# Altium PCB revision2.PcbDoc
Units mil, origin at the board's own origin, x right, y up, seen from the top; angles counter-clockwise.
Board outline 6000 x 4525 mil, 4 copper layers (Top Layer, Layer 1, Layer 2, Bottom Layer), stack 23.756 mil thick; 52 components, 209 nets, 624 pads, 25 vias.
Unrouted connection lines stored in the file: 123.
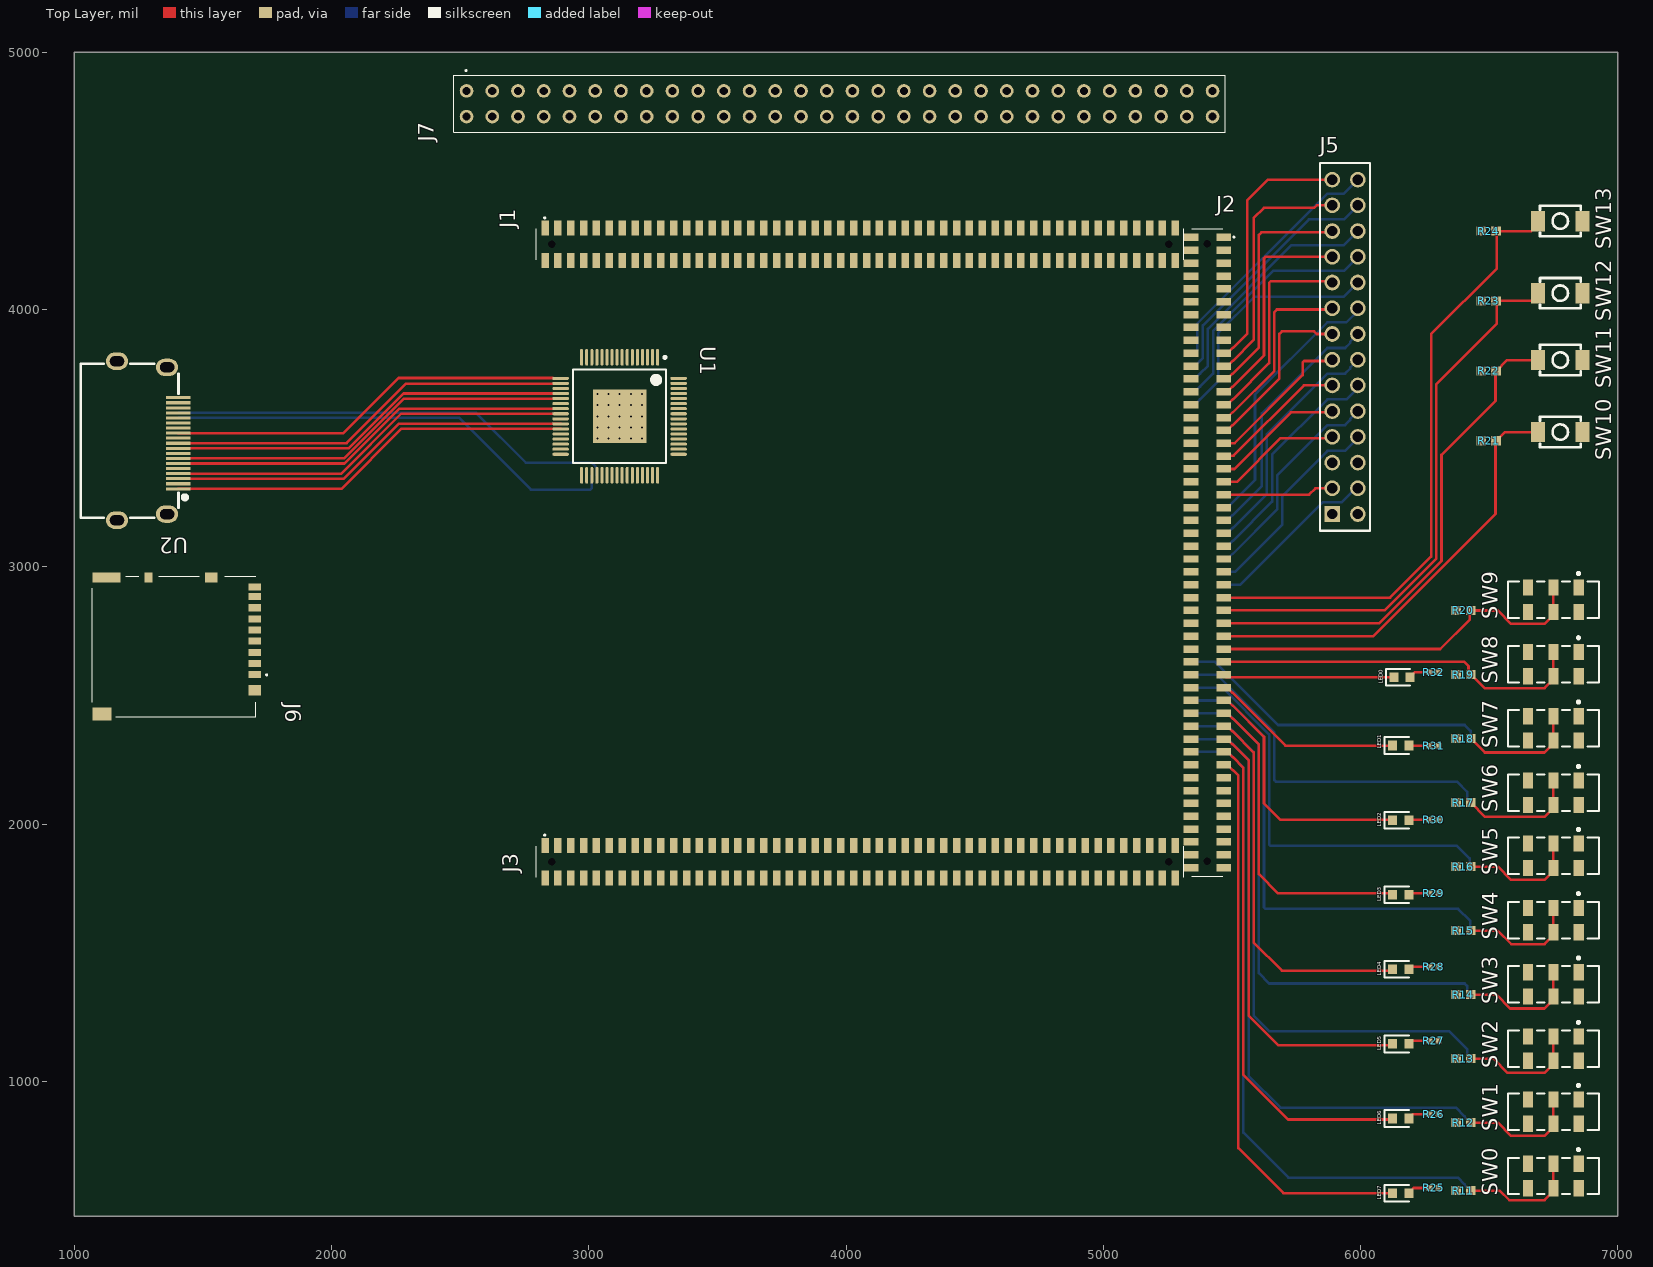
[diagram p0: Top Layer view]
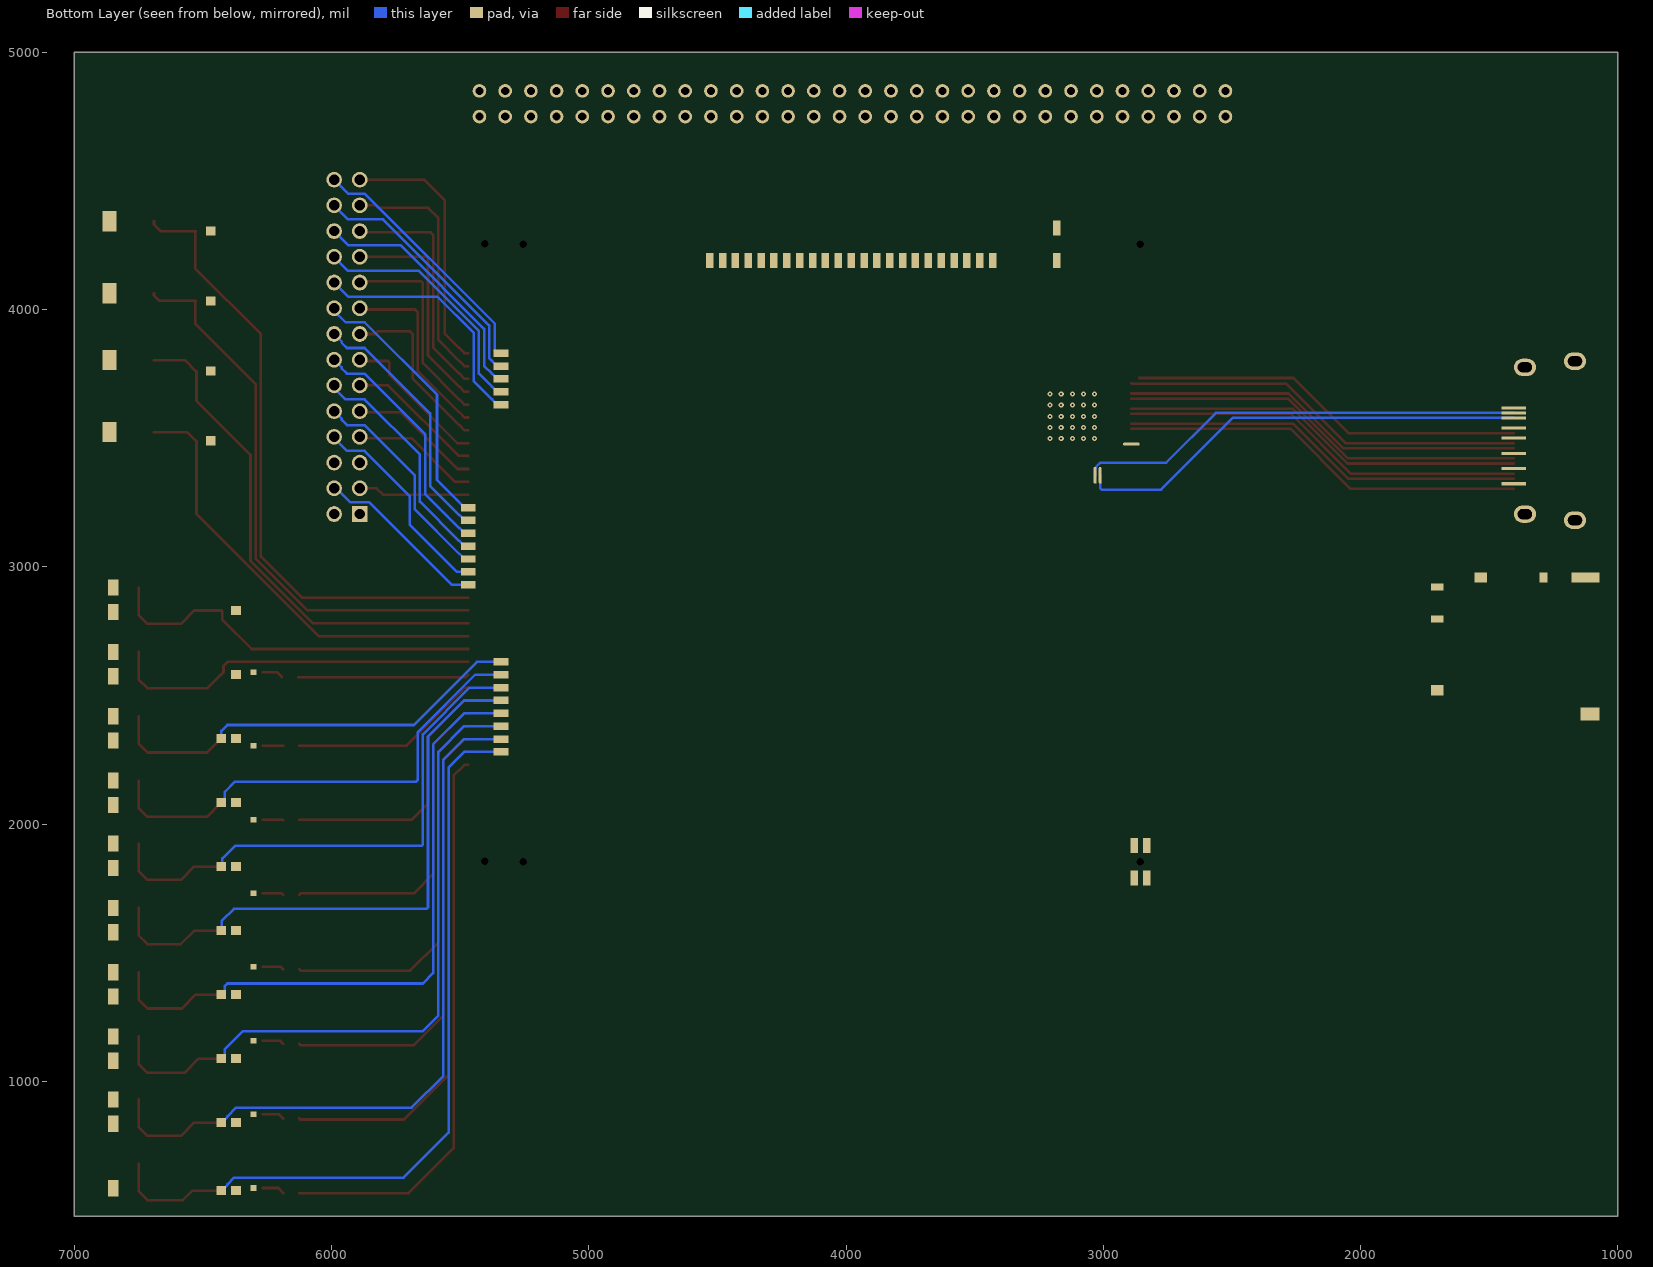
[diagram p1: Bottom Layer view, seen from below]
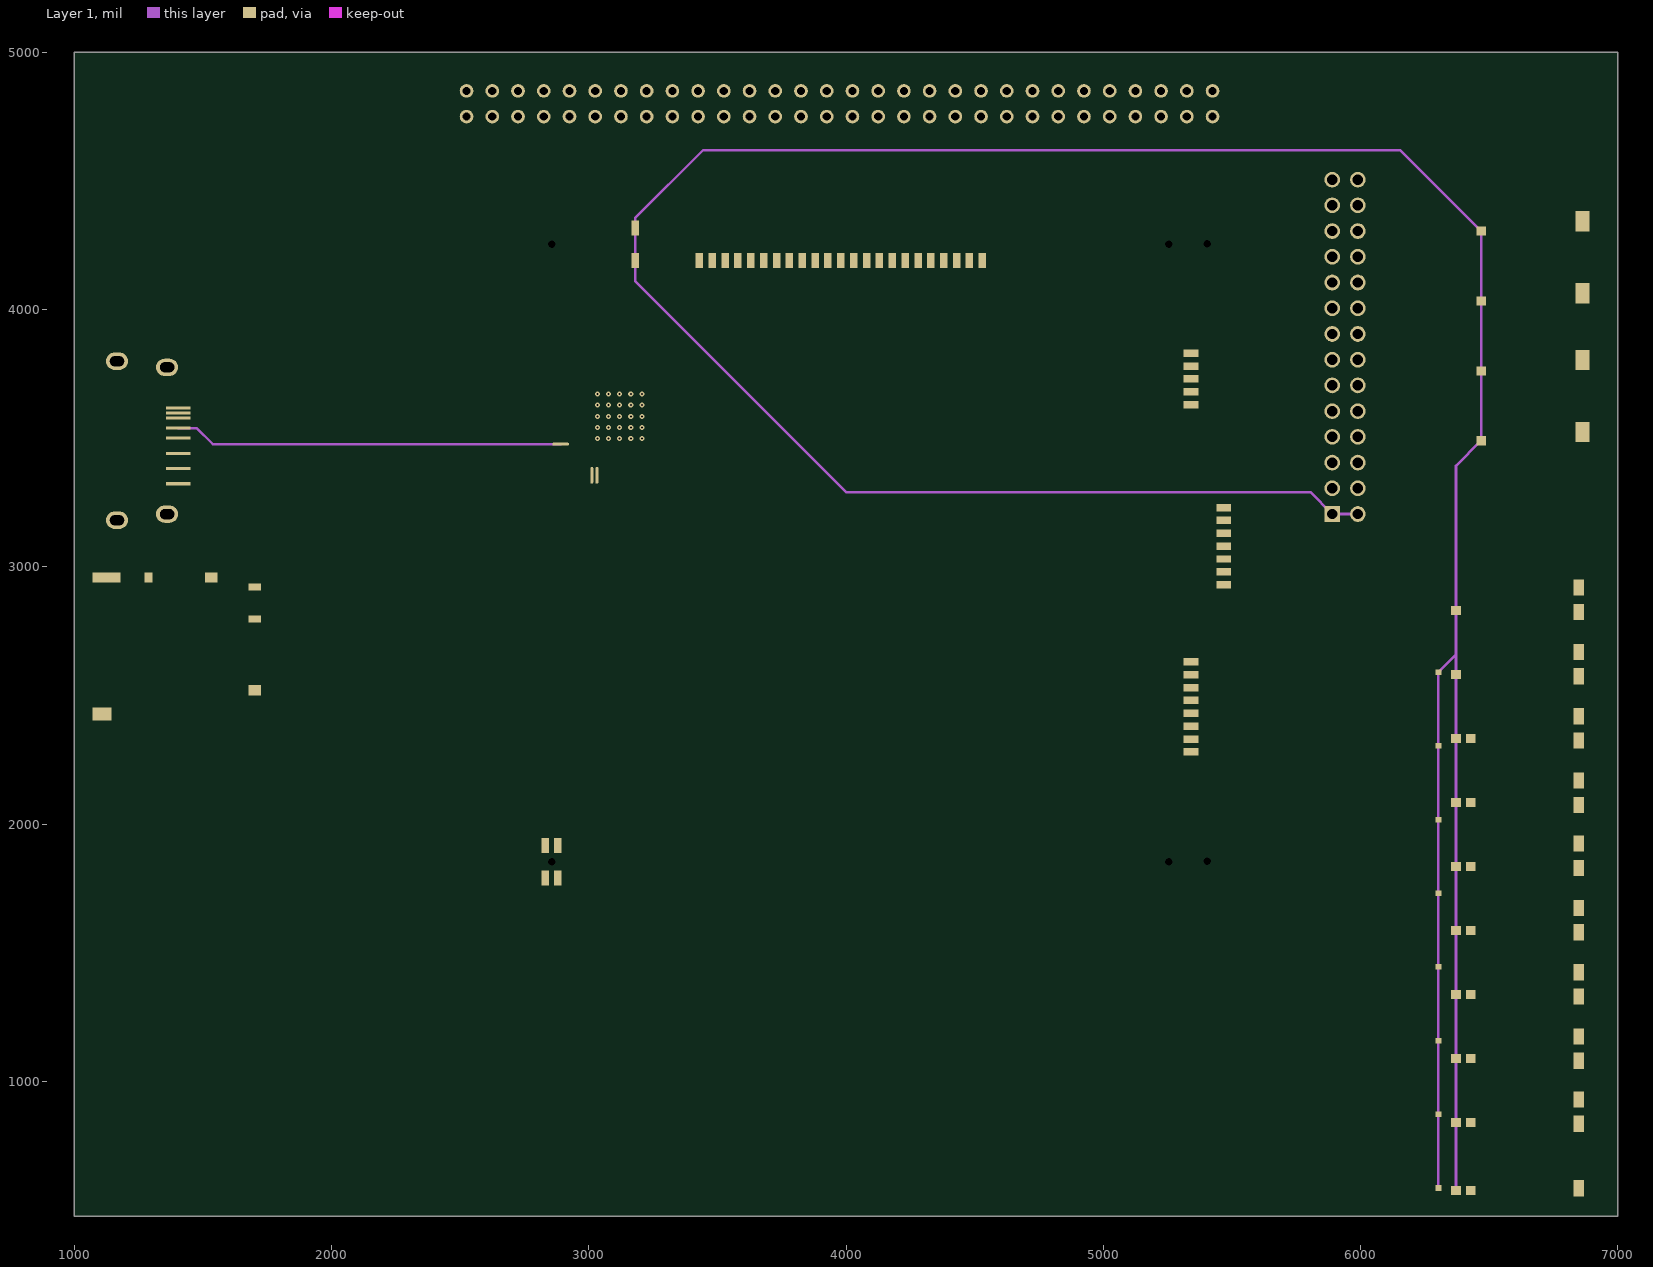
[diagram p2: Layer 1]
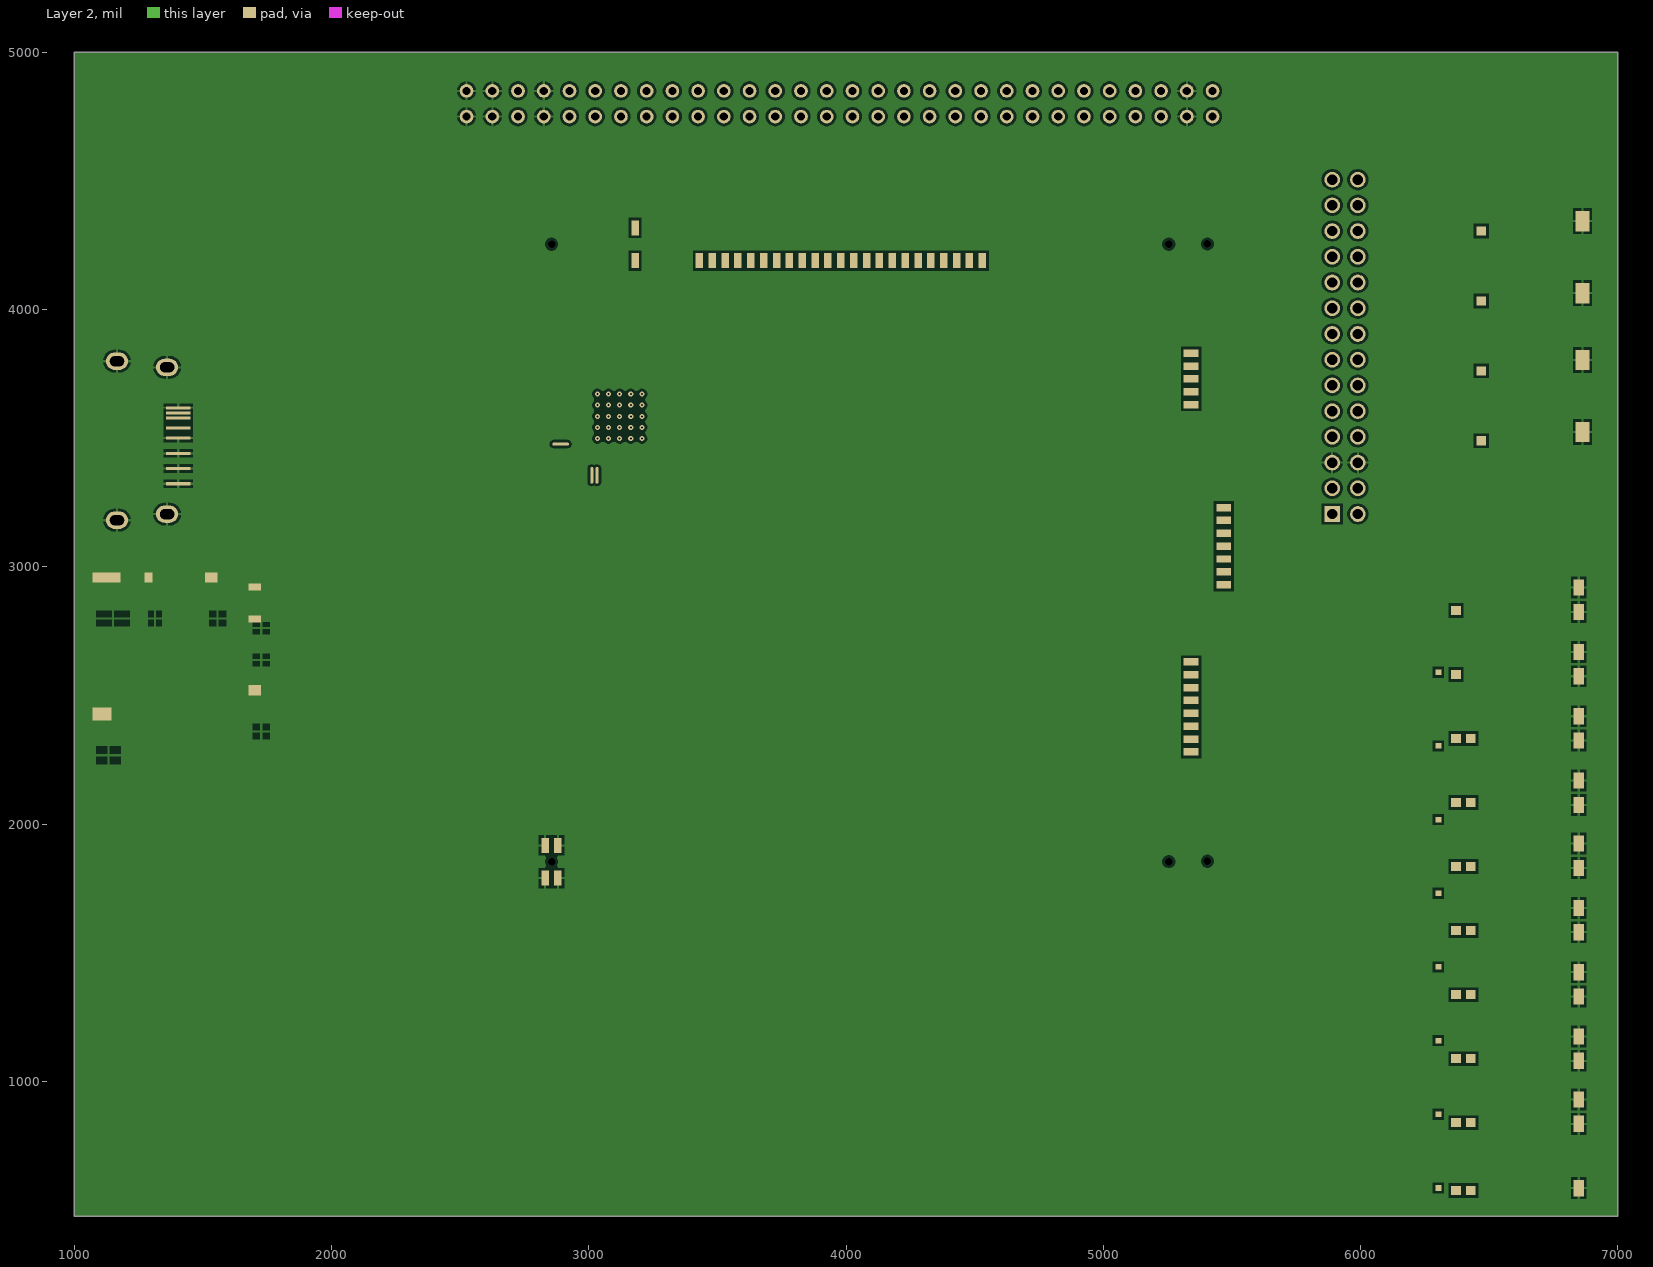
[diagram p3: Layer 2]

## Layer stack, top to bottom
Top Solder: solder mask 0.4, Solder Resist, Dk 3.5
Top Layer: signal copper 1.4
Dielectric 2: prepreg 2.8, PP-006, Dk 4.1
Layer 1: signal copper 1.378
Dielectric 1: dielectric 12.6, FR-4, Dk 4.8
Layer 2: signal copper 1.378
Dielectric 3: prepreg 2.8, PP-006, Dk 4.1
Bottom Layer: signal copper 1.4
Bottom Solder: solder mask 0.4, Solder Resist, Dk 3.5

## Board outline
1000,475 7000,475 7000,5000 1000,5000

## Design rules (kind name [scope] priority, off if disabled: settings)
Clearance [All] p1: gap=10 ignorepadtopadclearanceinfootprint=FALSE except(5: Arc-Arc Arc-Track Arc-SMDPad Arc-THPad Track-Track Track-SMDPad Track-THPad SMDPad-SMDPad SMDPad-THPad THPad-THPad)
PolygonConnect [All] p1: connectstyle=Relief reliefconductorwidth=10 reliefentries=4 polygonreliefangle="90 Angle" airgapwidth=10
RoutingVias [All] p1: holewidth=28 width=50 viastyle="Through Hole" minholewidth=28 minwidth=50 maxholewidth=28 maxwidth=50
SolderMaskExpansion [All] p1: expansion=4 istentingtop=FALSE
SupplyNets "Schematic Supply Nets_3" [InNet('VDD5.0')] p1: voltage=0.000
SupplyNets "Schematic Supply Nets_2" [InNet('GND')] p2: voltage=0.000
SupplyNets "Schematic Supply Nets_1" [InNet('VDD3.3')] p3: voltage=0.000
SupplyNets "Schematic Supply Nets" [InNet('VDD12')] p4: voltage=0.000
Width [All] p1: maxlimit=10 minlimit=10 preferedwidth=10
30 further rules are at their usual default settings.

## Classes and differential pairs
component class HDMI: U1 U2
component class SWITCHES: LED0 LED1 LED2 LED3 LED4 LED5 LED6 LED7 R11 R12 R13 R14 R15 R16 R17 R18 R19 R20 R21 R22 R23 R24 R25 R26 R27 R28 R29 R30 R31 R32 SW0 SW1 SW2 SW3 SW4 SW5 SW6 SW7 SW8 SW9 SW10 SW11 SW12 SW13
component class MICROSD: J6
component class FPGA_GPIO: J1 J2 J3
component class BOARD_GPIO: J5 J7

## Components (designator, comment, footprint, x,y, rotation, side; value= is the part's Value field where it differs from the comment)
J1 "CLP-150-02-L-D-A" CLP-150-02-XXX-D-A#1 4055,4253.58 r180 top
J2 "CLP-150-02-L-D-A" CLP-150-02-XXX-D-A#2 5405,3055.2 r90 top
J3 "CLP-150-02-L-D-A" CLP-150-02-XXX-D-A#3 4055,1853.58 r180 top
J5 "SSQ-114-01-G-D" SMTC-SSQ-114-01-X-D 5890,3205 r90 top
J6 "DM3AT-SF-PEJM5" DM3ATSFPEJM5 1410,2690 r270 top
J7 "CES-130-02-T-D" CES-130-XX-X-D 2525,4850 r180 top
LED0 "LTST-C190KRKT" LEDC1608X80N 6161.5,2570 r0 top
LED1 "LTST-C190KRKT" LEDC1608X80N 6156.5,2305 r0 top
LED2 "LTST-C190KRKT" LEDC1608X80N 6156.5,2015 r0 top
LED3 "LTST-C190KRKT" LEDC1608X80N 6156.5,1725 r0 top
LED4 "LTST-C190KRKT" LEDC1608X80N 6156.5,1435 r0 top
LED5 "LTST-C190KRKT" LEDC1608X80N 6156.5,1145 r0 top
LED6 "LTST-C190KRKT" LEDC1608X80N 6156.5,855 r0 top
LED7 "LTST-C190KRKT" LEDC1608X80N 6156.5,565 r0 top
R11 "0603WAF1002T5E" RES-0603#1 6400,575 r180 top
R12 "0603WAF1002T5E" RES-0603#1 6400,838.89 r180 top
R13 "0603WAF1002T5E" RES-0603#1 6400,1087.78 r180 top
R14 "0603WAF1002T5E" RES-0603#1 6400,1336.67 r180 top
R15 "0603WAF1002T5E" RES-0603#1 6400,1585.56 r180 top
R16 "0603WAF1002T5E" RES-0603#1 6400,1834.44 r180 top
R17 "0603WAF1002T5E" RES-0603#1 6400,2083.33 r180 top
R18 "0603WAF1002T5E" RES-0603#1 6400,2332.22 r180 top
R19 "0603WAF1002T5E" RES-0603#2 6400,2581.11 r180 top
R20 "0603WAF1002T5E" RES-0603#2 6400,2830 r180 top
R21 "0603WAF1002T5E" RES-0603#2 6498.54,3490 r180 top
R22 "0603WAF1002T5E" RES-0603#2 6498.54,3761.67 r180 top
R23 "0603WAF1002T5E" RES-0603#2 6498.54,4033.33 r180 top
R24 "0603WAF1002T5E" RES-0603#2 6498.54,4305 r180 top
R25 "0402WGF2000TCE" RES-0402 6285,585 r180 top
R26 "0402WGF2000TCE" RES-0402 6285,871.43 r180 top
R27 "0402WGF2000TCE" RES-0402 6285,1157.86 r180 top
R28 "0402WGF2000TCE" RES-0402 6285,1444.29 r180 top
R29 "0402WGF2000TCE" RES-0402 6285,1730.71 r180 top
R30 "0402WGF2000TCE" RES-0402 6285,2017.14 r180 top
R31 "0402WGF2000TCE" RES-0402 6285,2303.57 r180 top
R32 "0402WGF2000TCE" RES-0402 6285,2590 r180 top
SW0 "JS202011JCQN" FP-JS202011JCQN-MFG#1 6750,631.61 r180 top
SW1 "JS202011JCQN" FP-JS202011JCQN-MFG#2 6750,881.61 r180 top
SW2 "JS202011JCQN" FP-JS202011JCQN-MFG#2 6750,1126.61 r180 top
SW3 "JS202011JCQN" FP-JS202011JCQN-MFG#2 6750,1376.61 r180 top
SW4 "JS202011JCQN" FP-JS202011JCQN-MFG#2 6750,1626.61 r180 top
SW5 "JS202011JCQN" FP-JS202011JCQN-MFG#2 6750,1876.61 r180 top
SW6 "JS202011JCQN" FP-JS202011JCQN-MFG#2 6750,2121.61 r180 top
SW7 "JS202011JCQN" FP-JS202011JCQN-MFG#2 6750,2371.61 r180 top
SW8 "JS202011JCQN" FP-JS202011JCQN-MFG#2 6750,2621.61 r180 top
SW9 "JS202011JCQN" FP-JS202011JCQN-MFG#2 6750,2871.61 r180 top
SW10 "TS-1185-B-A-B-A" TS-1185-B-A-B-A 7330,4200 r180 top
SW11 "TS-1185-B-A-B-A" TS-1185-B-A-B-A 7330,4480 r180 top
SW12 "TS-1185-B-A-B-A" TS-1185-B-A-B-A 7330,4740 r180 top
SW13 "TS-1185-B-A-B-A" TS-1185-B-A-B-A 7330,5020 r180 top
U1 "ADV7513BSWZ" ADI-LQFP-64_M 3120,3585 r270 top
U2 "HDMI-232D" HDMI-232D 1285,3490 r270 top

## Footprints (in the part's own frame and the unit in brackets; to place one, negate y for a bottom-side part, rotate by r counter-clockwise, add the part's x,y. Pads: shape width x height; smd on the part's side, far side on the other; paste and mask are expansions set on the pad)
ADI-LQFP-64_M [mm] "LQFP, 64-Leads, Body 10.00x10.00mm, Pitch 0.50mm, Thermal Pad 5.30x5.30mm, IPC Low Density"
  oval 1.65x0.3 smd: 1(-5.825,3.75) 2(-5.825,3.25) 3(-5.825,2.75) 4(-5.825,2.25) 5(-5.825,1.75) 6(-5.825,1.25) 7(-5.825,0.75) 8(-5.825,0.25) 9(-5.825,-0.25) 10(-5.825,-0.75) 11(-5.825,-1.25) 12(-5.825,-1.75) 13(-5.825,-2.25) 14(-5.825,-2.75) 15(-5.825,-3.25) 16(-5.825,-3.75) 33(5.825,-3.75) 34(5.825,-3.25) 37(5.825,-1.75) 38(5.825,-1.25) 39(5.825,-0.75) 40(5.825,-0.25) 41(5.825,0.25) 42(5.825,0.75) 43(5.825,1.25) 44(5.825,1.75) 45(5.825,2.25) 46(5.825,2.75) 47(5.825,3.25) 48(5.825,3.75)
  oval 0.3x1.65 smd: 17(-3.75,-5.825) 18(-3.25,-5.825) 19(-2.75,-5.825) 20(-2.25,-5.825) 21(-1.75,-5.825) 22(-1.25,-5.825) 23(-0.75,-5.825) 24(-0.25,-5.825) 25(0.25,-5.825) 26(0.75,-5.825) 27(1.25,-5.825) 28(1.75,-5.825) 29(2.25,-5.825) 31(3.25,-5.825) 32(3.75,-5.825) 49(3.75,5.825) 50(3.25,5.825) 51(2.75,5.825) 52(2.25,5.825) 53(1.75,5.825) 54(1.25,5.825) 55(0.75,5.825) 56(0.25,5.825) 57(-0.25,5.825) 58(-0.75,5.825) 59(-1.25,5.825) 60(-1.75,5.825) 61(-2.25,5.825) 62(-2.75,5.825) 63(-3.25,5.825) 64(-3.75,5.825)
  oval 0.3x1.65 all layers, no hole: 30(2.75,-5.825)
  oval 1.65x0.3 all layers, no hole: 35(5.825,-2.75) 36(5.825,-2.25)
  rect 5.3x5.3 smd: 65(0,0)
  silkscreen extent -5.95,-4.6 4.6,4.6, body extent -5,-5 5,5, height 1.6
CES-130-XX-X-D [mm]
  round 1.35 hole 0.81: 1(0,0) 2(0,2.54) 3(-2.54,0) 4(-2.54,2.54) 5(-5.08,0) 6(-5.08,2.54) 7(-7.62,0) 8(-7.62,2.54) 9(-10.16,0) 10(-10.16,2.54) 11(-12.7,0) 12(-12.7,2.54) 13(-15.24,0) 14(-15.24,2.54) 15(-17.78,0) 16(-17.78,2.54) 17(-20.32,0) 18(-20.32,2.54) 19(-22.86,0) 20(-22.86,2.54) 21(-25.4,0) 22(-25.4,2.54) 23(-27.94,0) 24(-27.94,2.54) 25(-30.48,0) 26(-30.48,2.54) 27(-33.02,0) 28(-33.02,2.54) 29(-35.56,0) 30(-35.56,2.54) 31(-38.1,0) 32(-38.1,2.54) 33(-40.64,0) 34(-40.64,2.54) 35(-43.18,0) 36(-43.18,2.54) 37(-45.72,0) 38(-45.72,2.54) 39(-48.26,0) 40(-48.26,2.54) 41(-50.8,0) 42(-50.8,2.54) 43(-53.34,0) 44(-53.34,2.54) 45(-55.88,0) 46(-55.88,2.54) 47(-58.42,0) 48(-58.42,2.54) 49(-60.96,0) 50(-60.96,2.54) 51(-63.5,0) 52(-63.5,2.54) 53(-66.04,0) 54(-66.04,2.54) 55(-68.58,0) 56(-68.58,2.54) 57(-71.12,0) 58(-71.12,2.54) 59(-73.66,0) 60(-73.66,2.54)
  silkscreen extent -74.93,-2.05 1.27,4.07, body extent -74.88,-1.61 1.32,3.97, height 4.02
CLP-150-02-XXX-D-A#1 [mm]
  rect 0.74x1.47 smd: 1(31.115,-1.615) 2(31.115,1.615) 3(29.845,-1.615) 4(29.845,1.615) 5(28.575,-1.615) 6(28.575,1.615) 7(27.305,-1.615) 8(27.305,1.615) 9(26.035,-1.615) 10(26.035,1.615) 11(24.765,-1.615) 12(24.765,1.615) 13(23.495,-1.615) 14(23.495,1.615) 17(20.955,-1.615) 18(20.955,1.615) 19(19.685,-1.615) 20(19.685,1.615) 21(18.415,-1.615) 22(18.415,1.615) 23(17.145,-1.615) 24(17.145,1.615) 25(15.875,-1.615) 27(14.605,-1.615) 29(13.335,-1.615) 31(12.065,-1.615) 33(10.795,-1.615) 35(9.525,-1.615) 37(8.255,-1.615) 39(6.985,-1.615) 41(5.715,-1.615) 43(4.445,-1.615) 45(3.175,-1.615) 47(1.905,-1.615) 49(0.635,-1.615) 51(-0.635,-1.615) 53(-1.905,-1.615) 55(-3.175,-1.615) 57(-4.445,-1.615) 59(-5.715,-1.615) 61(-6.985,-1.615) 63(-8.255,-1.615) 65(-9.525,-1.615) 67(-10.795,-1.615) 69(-12.065,-1.615) 71(-13.335,-1.615) 72(-13.335,1.615) 73(-14.605,-1.615) 74(-14.605,1.615) 75(-15.875,-1.615) 76(-15.875,1.615) 77(-17.145,-1.615) 78(-17.145,1.615) 79(-18.415,-1.615) 80(-18.415,1.615) 81(-19.685,-1.615) 82(-19.685,1.615) 83(-20.955,-1.615) 84(-20.955,1.615) 85(-22.225,-1.615) 86(-22.225,1.615) 87(-23.495,-1.615) 88(-23.495,1.615) 89(-24.765,-1.615) 90(-24.765,1.615) 91(-26.035,-1.615) 92(-26.035,1.615) 93(-27.305,-1.615) 94(-27.305,1.615) 95(-28.575,-1.615) 96(-28.575,1.615) 97(-29.845,-1.615) 98(-29.845,1.615) 99(-31.115,-1.615) 100(-31.115,1.615)